# Altium PCB Плата верхняя версия 7.1.PcbDoc (part 1 of 2)
Units mm, origin at the board's own origin, x right, y up, seen from the top; angles counter-clockwise.
Board outline 53 x 45 mm, 4 copper layers (Top Layer, Layer 1, Layer 2, Bottom Layer), stack 1.781 mm thick; 108 components, 170 nets, 791 pads, 471 vias.
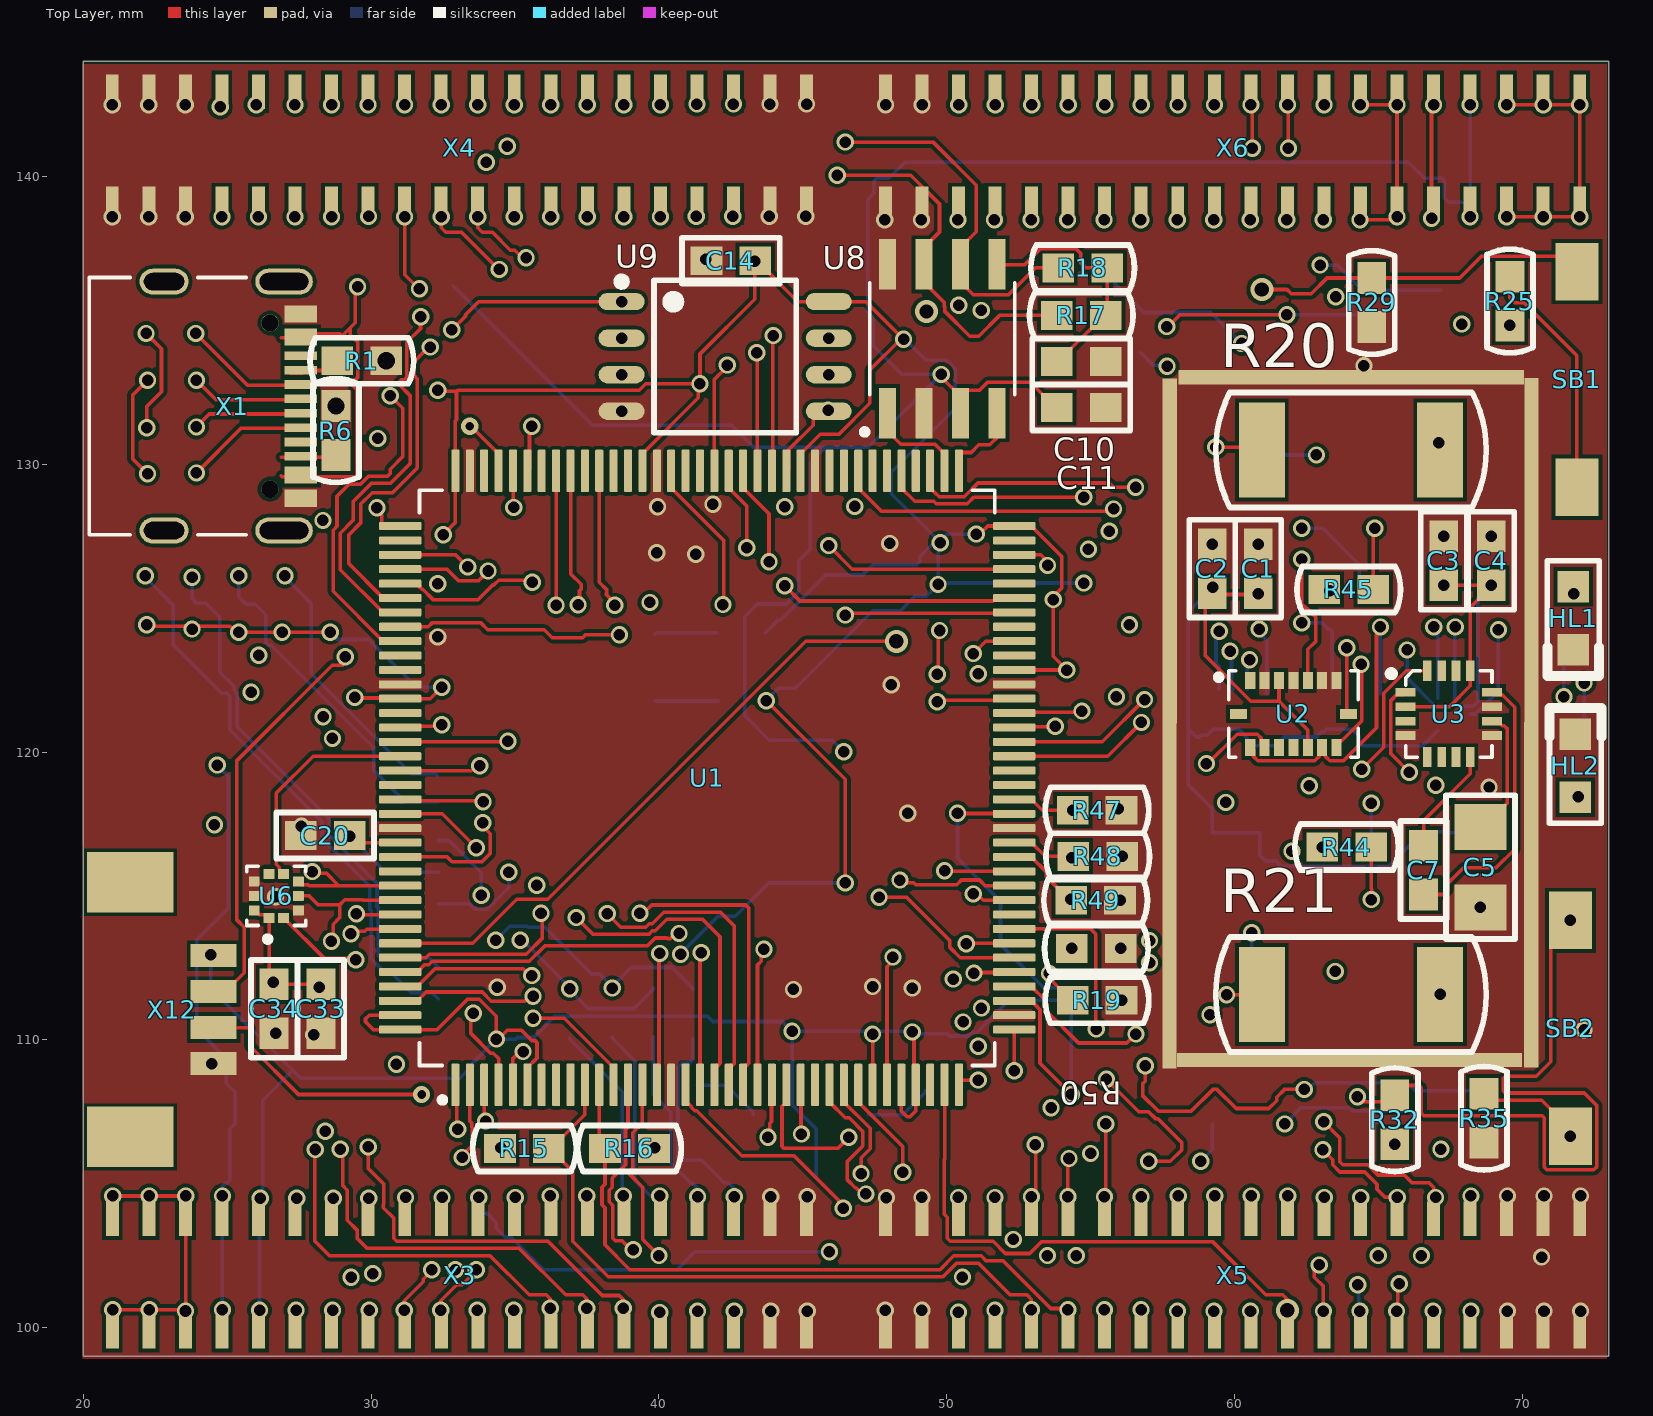
[diagram p0: Top Layer view]
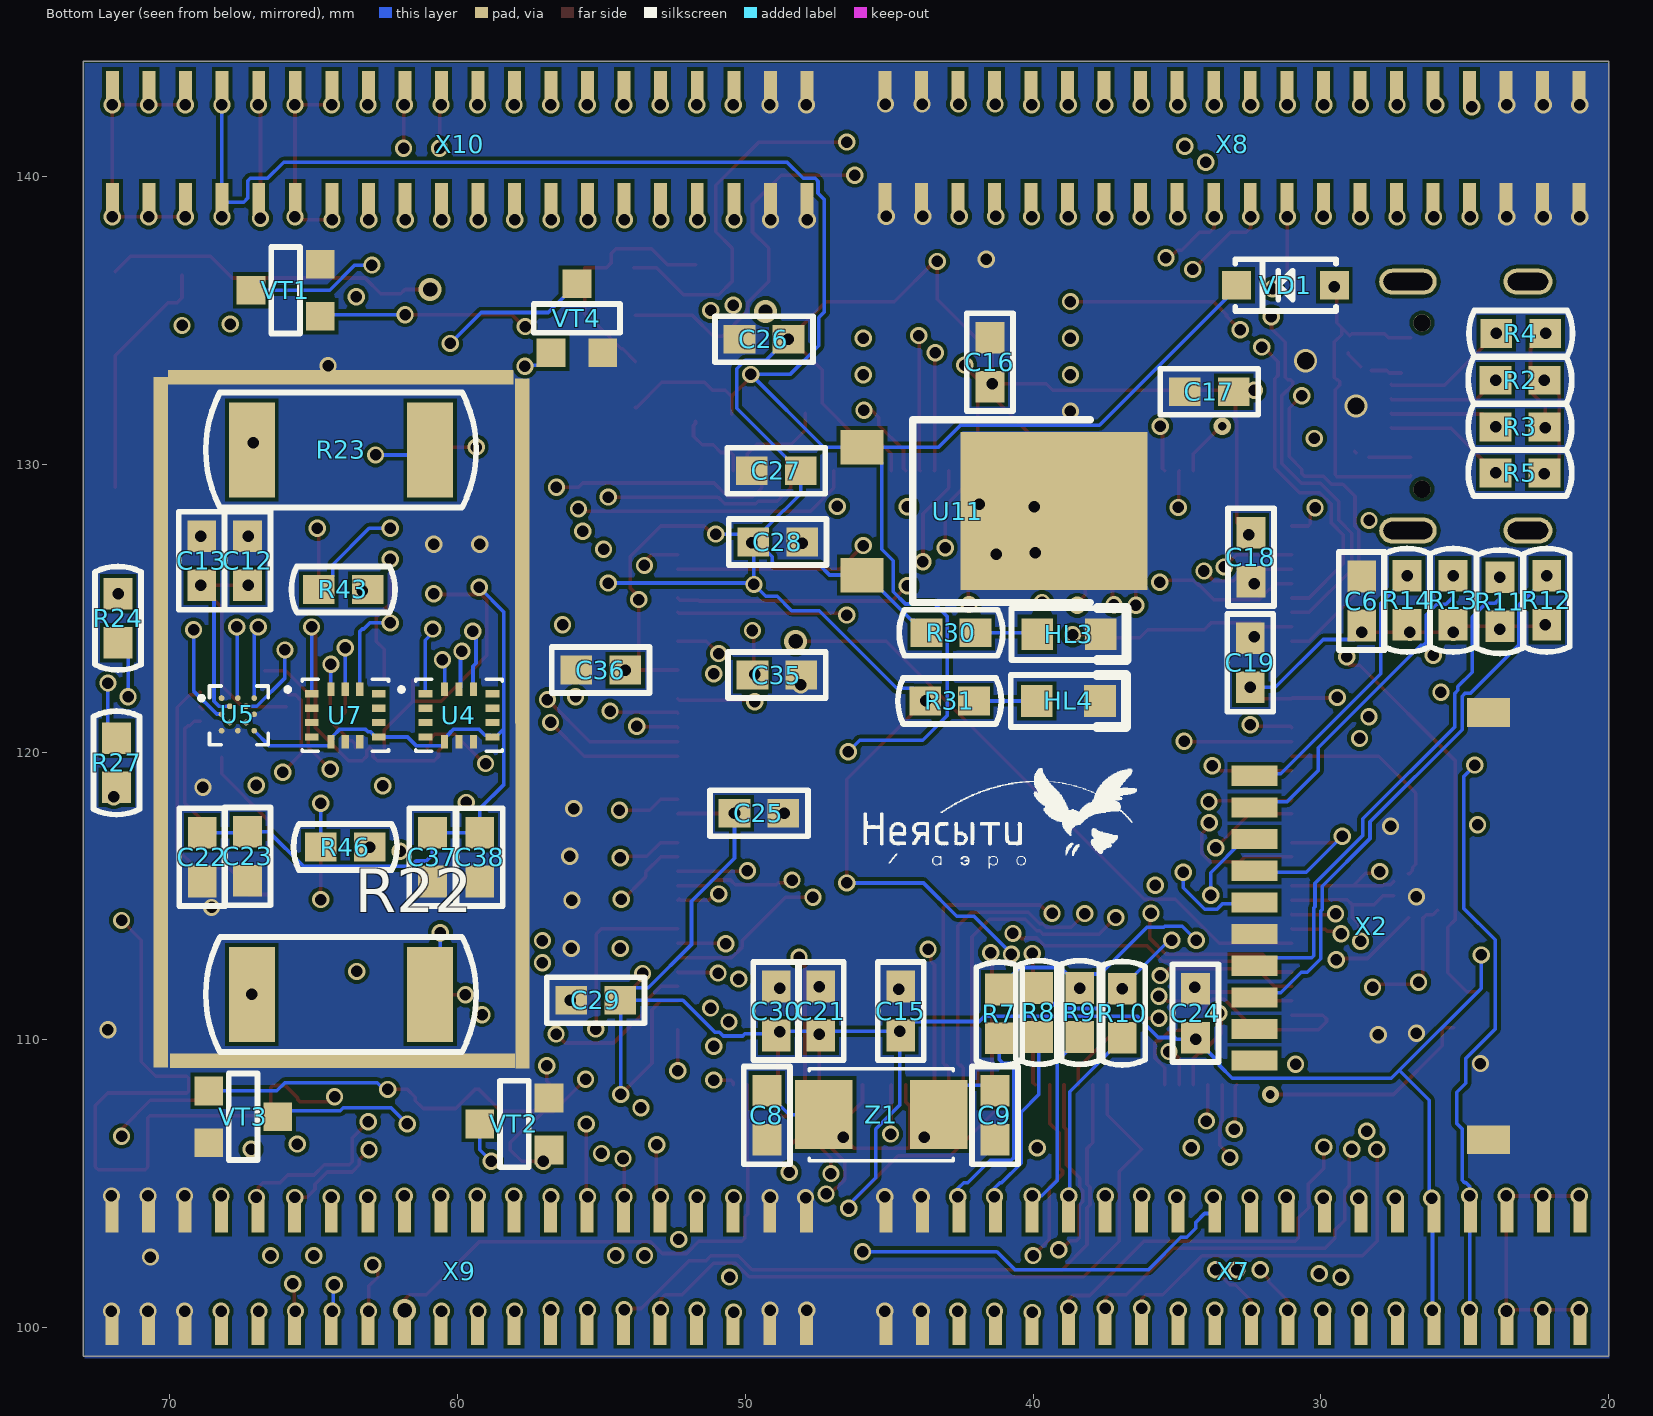
[diagram p1: Bottom Layer view, seen from below]
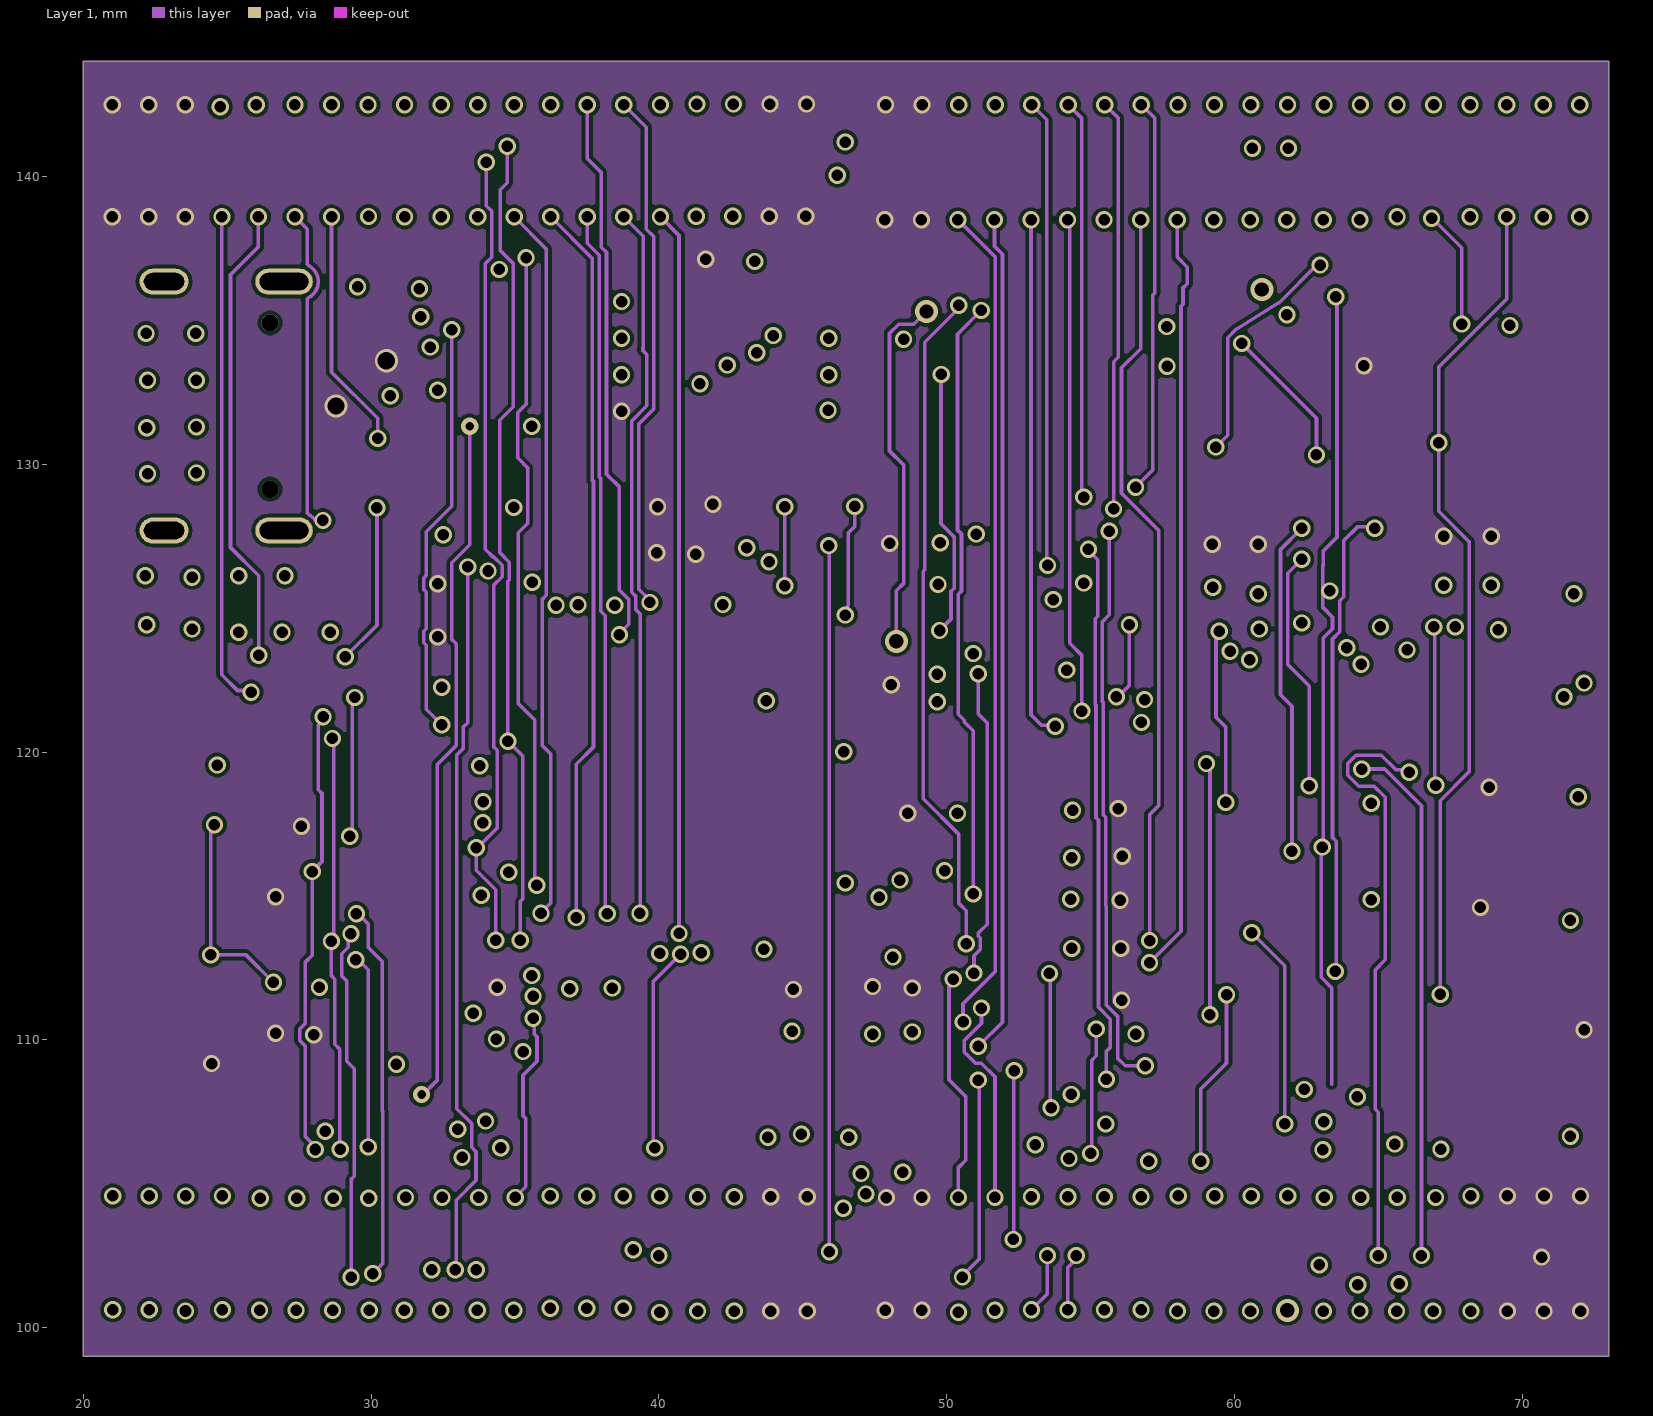
[diagram p2: Layer 1]
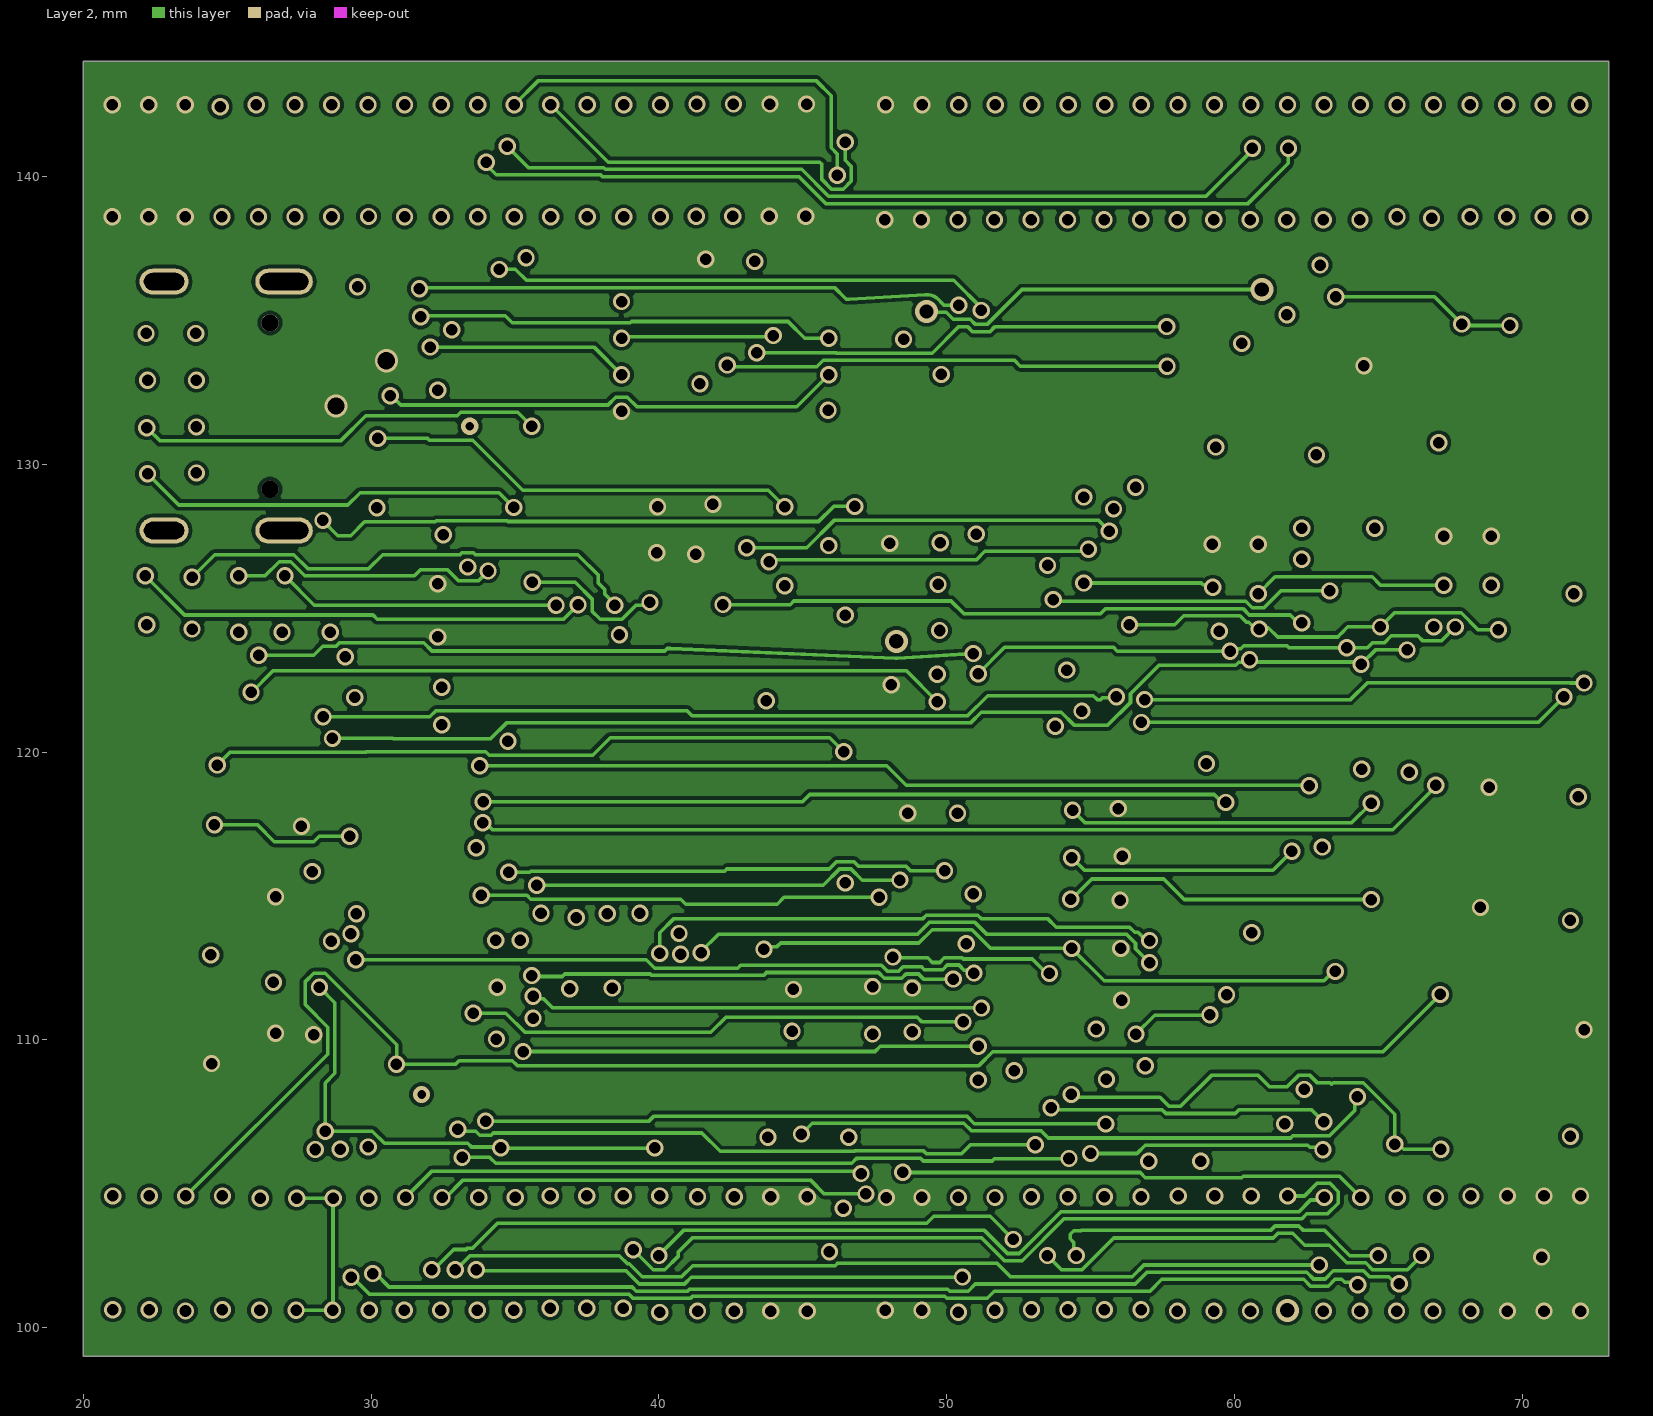
[diagram p3: Layer 2]
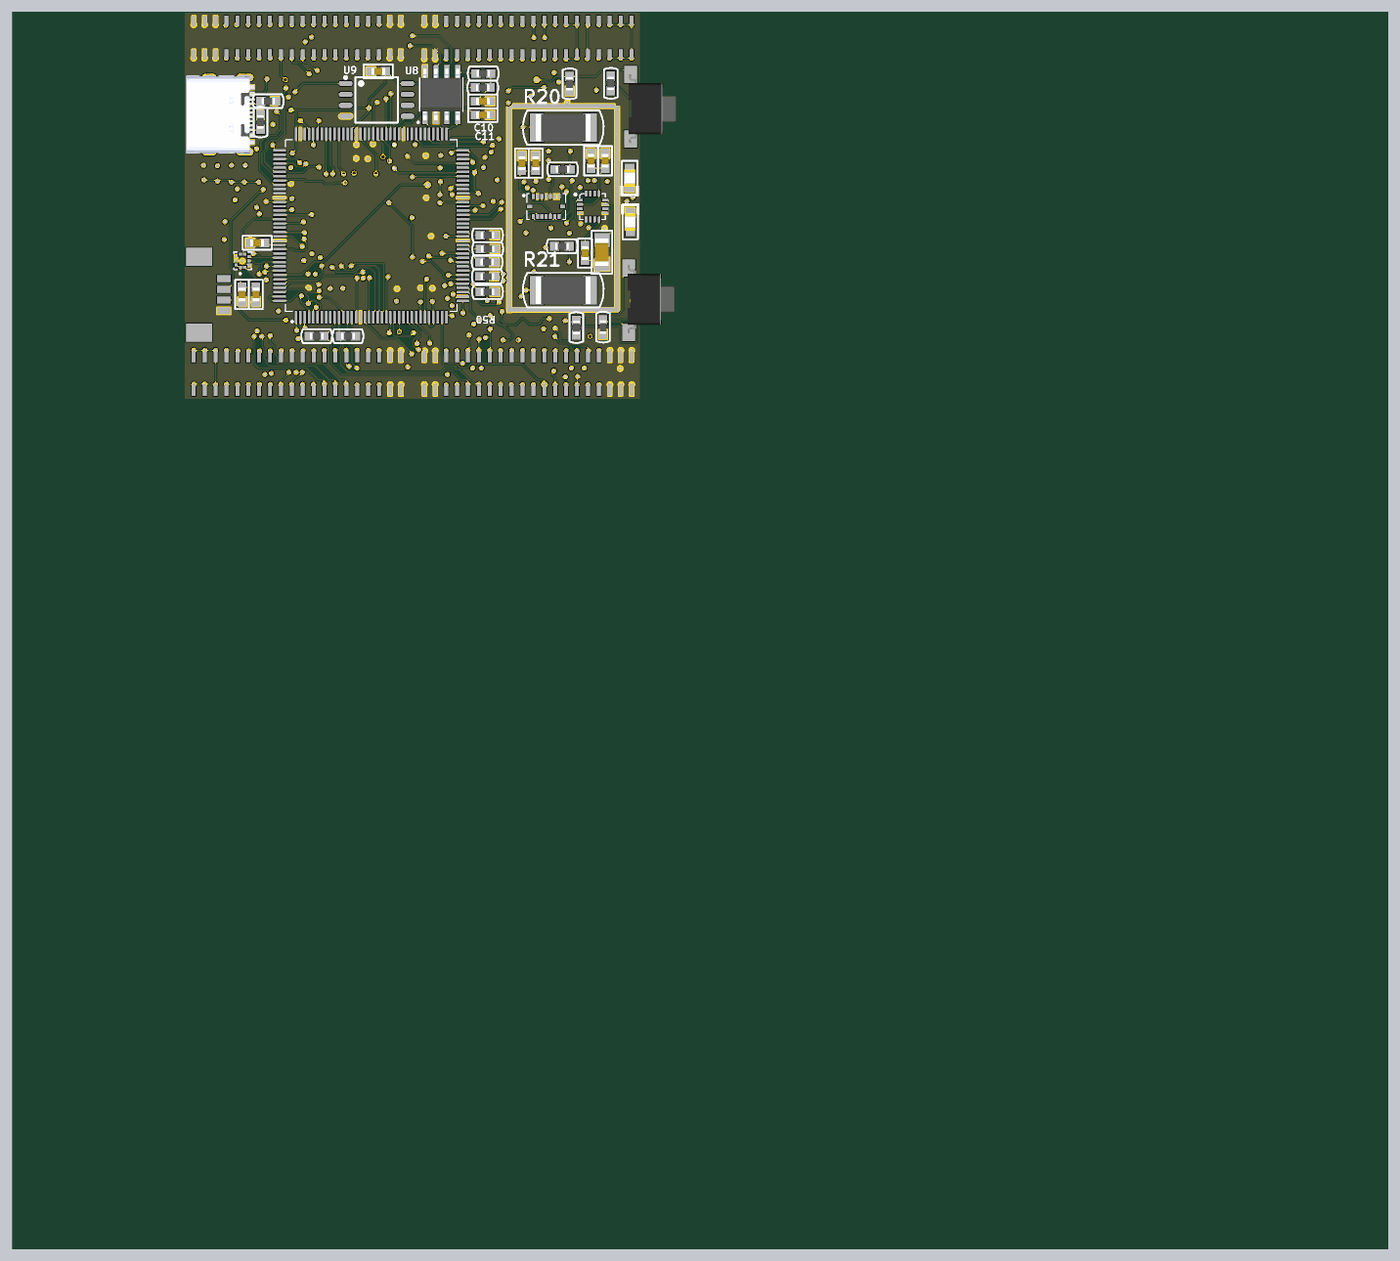
[diagram p5: 3D render of the assembled board from above, using the file's embedded part models]
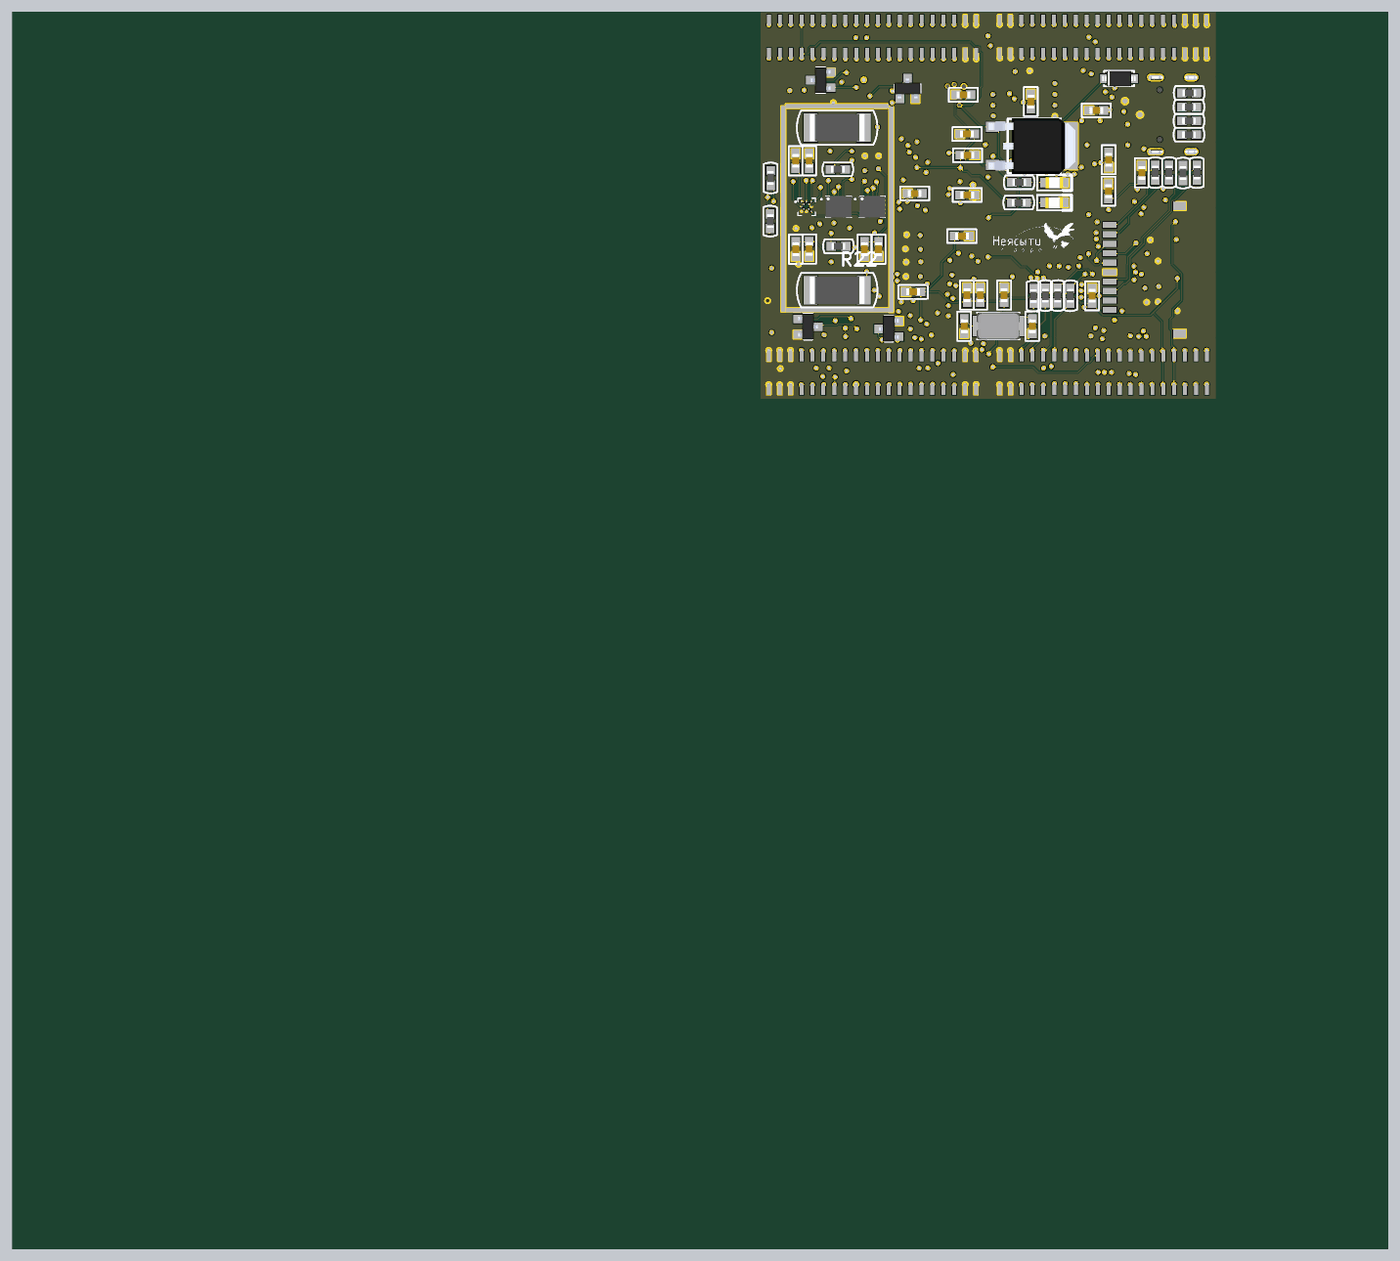
[diagram p6: 3D render of the assembled board from below, using the file's embedded part models]

## Layer stack, top to bottom
Top Solder: solder mask 0.01, Solder Resist, Dk 3.5
Top Layer: signal copper 0.035
Dielectric 2: prepreg 0.0711, PP-006, Dk 4.1
Layer 1: signal copper 0.035
Dielectric 1: core 1.499, Core-043, Dk 4.3
Layer 2: signal copper 0.035
Dielectric 3: prepreg 0.0711, PP-006, Dk 4.1
Bottom Layer: signal copper 0.035
Bottom Solder: solder mask 0.01, Solder Resist, Dk 3.5

## Board outline
20,99 20,144 73,144 73,99

## Design rules (kind name [scope] priority, off if disabled: settings)
Clearance [All] p1: gap=0.125 ignorepadtopadclearanceinfootprint=TRUE except(0.1: Arc-SMDPad Track-SMDPad SMDPad-SMDPad)
ComponentClearance [All] p1: gap=0 collisioncheckmode=3 verticalgap=0 showdistances=FALSE
PolygonConnect [All] p1: connectstyle=Direct reliefconductorwidth=0.254 reliefentries=4 polygonreliefangle="90 Angle" airgapwidth=0.254
RoutingVias [All] p1: holewidth=0.4 width=0.6 viastyle="Through Hole" minholewidth=0.4 minwidth=0.6 maxholewidth=0.4 maxwidth=0.6
SilkToSilkClearance [All] p1: silktosilkclearance=0
SolderMaskExpansion [All] p1: expansion=0.102 istentingtop=FALSE
Width [All] p1: maxlimit=0.15 minlimit=0.125 preferedwidth=0.125 midlayer1_maxwidth=0.125 bottomlayer_maxwidth=0.125 minimp=50.000000 maximp=50.000000 favimp=50.000000
28 further rules are at their usual default settings.

## Components (designator, comment, footprint, x,y, rotation, side; value= is the part's Value field where it differs from the comment)
C1 "100nF" C0603 60.825,126.375 r90 top
C2 "100nF" C0603 59.225,126.375 r90 top
C3 "100nF" C0603 67.275,126.65 r90 top
C4 "100nF" C0603 68.925,126.65 r90 top
C5 "4u7F" C1206 68.55,116 r90 top
C6 "100nF" C0603 28.575,125.25 r90 bottom
C7 "200nF" C0603 66.575,115.9 r90 top
C8 "18pF" C0603 49.25,107.375 r90 bottom
C9 "18pF" C0603 41.325,107.375 r90 bottom
C10 "47nF" C0603 54.675,133.575 r180 top
C11 "100nF" C0603 54.675,131.975 r0 top
C12 "100nF" C0603 67.3,126.65 r90 bottom
C13 "100nF" C0603 68.893,126.648 r90 bottom
C14 "100nF" C0603 42.5,137.075 r0 top
C15 "100nF" C0603 44.6,111 r270 bottom
C16 "100nF" C0603 41.5,133.55 r270 bottom
C17 "100nF" C0603 33.875,132.525 r180 bottom
C18 "100nF" C0603 32.425,126.775 r90 bottom
C19 "100nf" C0603 32.45,123.1 r270 bottom
C20 "100nF" C0603 28.4,117.1 r0 top
C21 "100nF" C0603 47.375,111 r90 bottom
C22 "100nF" C0603 68.875,116.35 r270 bottom
C23 "100nF" C0603 67.3,116.375 r270 bottom
C24 "100nF" C0603 34.35,110.925 r90 bottom
C25 "100nF" C0603 49.525,117.875 r180 bottom
C26 "100nF" C0603 49.35,134.35 r0 bottom
C27 "100nF" C0603 48.925,129.775 r0 bottom
C28 "100nF" C0603 48.875,127.3 r180 bottom
C29 "100nF" C0603 55.2,111.375 r0 bottom
C30 "100nF" C0603 48.925,111 r90 bottom
C33 "100nF" C0603 28.25,111.075 r270 top
C34 "C1_POSTOYANNYJ" C0603 26.625,111.075 r270 top
C35 "1uF" C0603 48.9,122.675 r0 bottom
C36 "1uF" C0603 55.025,122.85 r180 bottom
C37 "C1_POSTOYANNYJ" C0603 60.875,116.35 r270 bottom
C38 "100nF" C0603 59.225,116.35 r270 bottom
HL1 "t" LD0805 71.775,124.65 r270 top
HL2 "t" LD0805 71.85,119.525 r90 top
HL3 "t" LD0805 38.75,124.1 r180 bottom
HL4 "t" LD0805 38.775,121.775 r180 bottom
R1 "5K1" R0603 29.675,133.6 r0 top
R2 "100" R0603 23.075,132.925 r180 bottom
R3 "100" R0603 23.075,131.3 r180 bottom
R4 "100" R0603 23.05,134.55 r180 bottom
R5 "100" R0603 23.075,129.7 r180 bottom
R6 "5K1" R0603 28.775,131.175 r90 top
R7 "0" R0603 41.175,110.9 r270 bottom
R8 "0" R0603 39.8,110.95 r90 bottom
R9 "0" R0603 38.375,110.95 r90 bottom
R10 "0" R0603 36.9,110.925 r90 bottom
R11 "100K" R0603 23.775,125.225 r90 bottom
R12 "100K" R0603 22.15,125.275 r90 bottom
R13 "100K" R0603 25.4,125.275 r90 bottom
R14 "100K" R0603 27,125.275 r270 bottom
R15 "10K" R0603 35.325,106.225 r0 top
R16 "10K" R0603 38.975,106.225 r180 top
R17 "60" R0603 54.675,135.175 r0 top
R18 "60" R0603 54.725,136.825 r180 top
R19 "0" R0603 55.225,111.375 r180 top
R20 "0020ab 1K8 2512" R2512 64.05,130.5 r180 top
R21 "0020ab 1K8 2512" R2512 64.05,111.575 r180 top
R22 "0020ab 1K8 2512" R2512 64.05,111.575 r180 bottom
R23 "0020ab 1K8 2512" R2512 64.05,130.5 r180 bottom
R24 "100" R0603 71.8,124.65 r90 bottom
R25 "10K" R0603 69.575,135.675 r270 top
R27 "100" R0603 71.85,119.625 r270 bottom
R29 "0" R0603 64.775,135.625 r90 top
R30 "100" R0603 42.85,124.15 r180 bottom
R31 "100" R0603 42.9,121.775 r180 bottom
R32 "10K" R0603 65.575,107.225 r270 top
R35 "0" R0603 68.675,107.275 r90 top
R43 "10K" R0603 63.975,125.65 r180 bottom
R44 "10K" R0603 63.9,116.7 r180 top
R45 "10K" R0603 63.975,125.65 r180 top
R46 "10K" R0603 63.9,116.7 r180 bottom
R47 "NCP15XH103F03RC" R0603 55.225,117.975 r0 top
R48 "NCP15XH103F03RC" R0603 55.25,116.375 r0 top
R49 "NCP15XH103F03RC" R0603 55.175,114.85 r0 top
R50 "NCP15XH103F03RC" R0603 55.2,113.175 r0 top
SB1 "Text" DTSM-32 71.9,132.95 r0 top
SB2 "Text" DTSM-32 71.675,110.4 r0 top
U1 "K1921BK01T2" QFP50P2200X2200X160-144N 41.675,119.105 r90 top locked
U2 "BMI088" PQFN50P450X300X100-16N 62.05,121.325 r0 top
U3 "QMC5883L" PLCC16-0.5-3X3MM 65.95,119.825 r0 top
U4 "QMI8658" XDCR_BMI270 59.95,121.275 r180 bottom
U5 "BMM150" XDCR_BMM150 67.6,121.275 r180 bottom
U6 "BMP388" PQFN50P200X200X80-10N 26.7,115 r90 top
U7 "BMI270" XDCR_BMI270 63.9,121.275 r180 bottom
U8 "К5559ИН14А" SOIC127P600X175-8N 49.845,134.365 r90 top
U9 "W25Q128FVSIG" SOIC127P790X216-8N 42.3,133.75 r0 top
U11 "КФ1158Н" SOT-428 41.18,128.375 r270 bottom
VD1 "Schottky" SOD-123 31.225,136.225 r0 bottom
VT1 "КТ234В9" SOT-23 65.975,136.05 r90 bottom
VT2 "КТ234В9" SOT-23 58.025,107.075 r90 bottom
VT3 "КТ234В9" SOT-23 67.45,107.325 r270 bottom
VT4 "КТ234В9" SOT-23 55.85,135.075 r180 bottom
X1 "TYPE-C-31-M-12" HRO_TYPE-C-31-M-12 22.8,132.025 r270 top
X2 "microSD" MICROSD 32.201,113.631 r0 top
X3 "Header 2x20" PBD1.27-40SA 33.999,101.82 r90 top
X4 "Header 2x20" PBD1.27-40SA 33.994,140.995 r90 top
X5 "Header 2x20" PBD1.27-40SA 60.864,101.82 r90 top
X6 "Header 2x20" PBD1.27-40SA 60.864,140.995 r90 top
X7 "Header 2x20" "Headr 2x20 female" 31.947,101.82 r90 bottom
X8 "Header 2x20" "Headr 2x20 female" 31.982,140.995 r90 bottom
X9 "Header 2x20" "Headr 2x20 female" 58.842,101.82 r90 bottom
X10 "Header 2x20" "Headr 2x20 female" 58.822,140.995 r90 bottom
X12 "Header 1x4" "PicoBlade 4pin" 23,111.085 r270 top
Z1 "KSE-7I08000MAF343ZA3" XTAL_NX5032GA-8.000M-STD-CSU-1 45.275,107.4 r0 bottom
